# Altium PCB STM32F767IGT6.PcbDoc (part 1 of 2)
Units mil, origin at the board's own origin, x right, y up, seen from the top; angles counter-clockwise.
Board outline 3765 x 2155 mil, 2 copper layers (Top Layer, Bottom Layer); 135 components, 194 nets, 728 pads, 342 vias.
Unrouted connection lines stored in the file: 9.
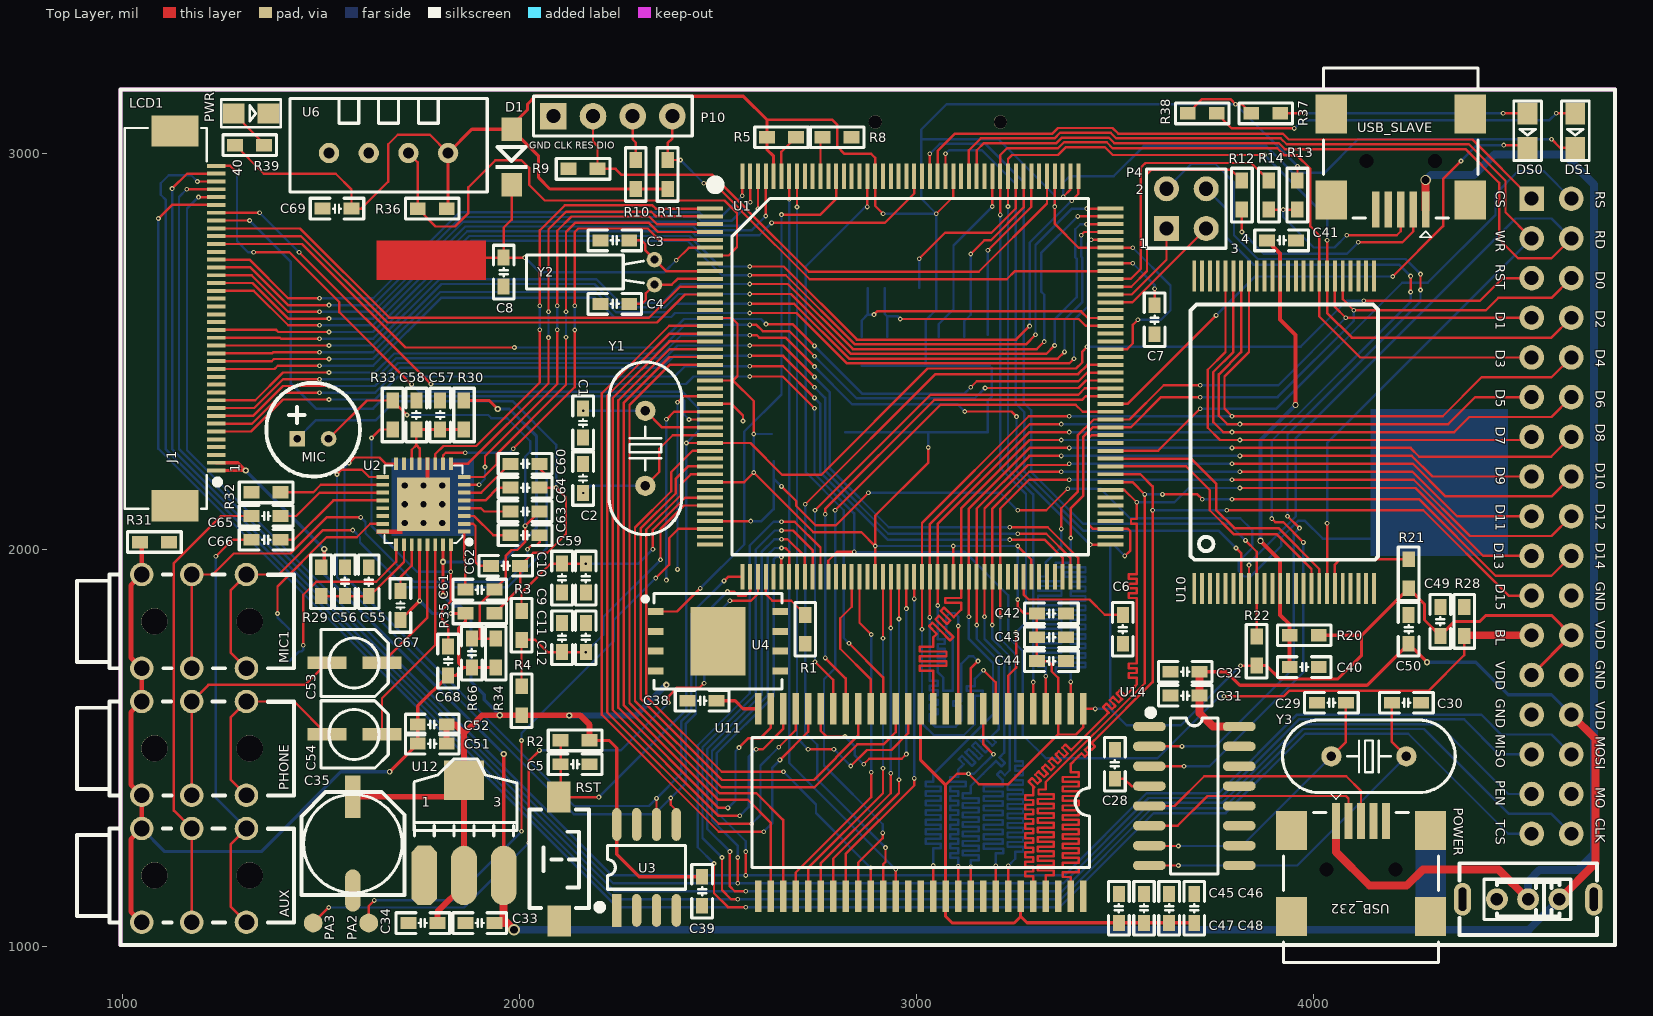
[diagram p0: Top Layer view]
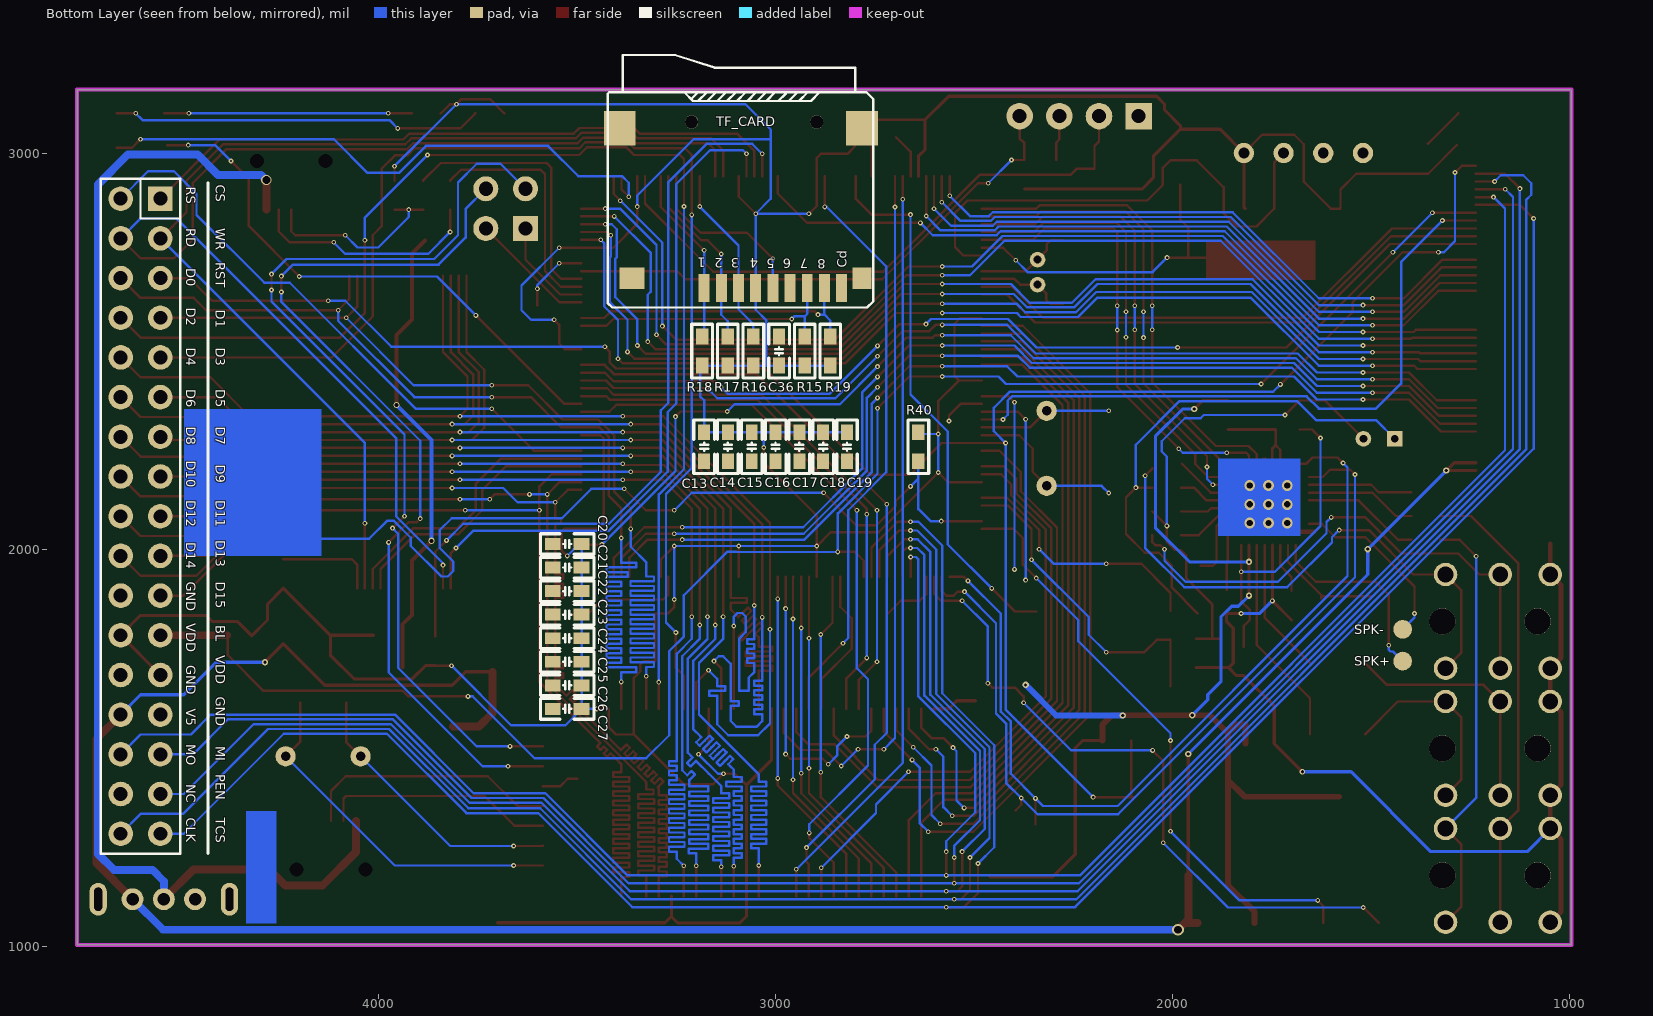
[diagram p1: Bottom Layer view, seen from below]

## Layer stack, top to bottom
Top Layer: signal copper 1.4
Dielectric: dielectric 12.6, FR-4, Dk 4.8
Bottom Layer: signal copper 1.4

## Board outline
995,1005 995,3160 4760,3160 4760,1005

## Design rules (kind name [scope] priority, off if disabled: settings)
Clearance [All] p1: gap=6
ComponentClearance [All] p1 off: gap=10 collisioncheckmode=3 verticalgap=10 showdistances=FALSE
FabricationTestpoint [(IsPad And (OnTopLayer Or OnBottomLayer))] p1: side=3 testpointundercomponent=TRUE minsize=40 maxsize=100 preferedsize=60 minholesize=0 maxholesize=40 preferedholesize=32 testpointgrid=1 allowsidetop=TRUE allowsidebottom=TRUE usegrid=TRUE gridtolerance=0.01
HoleToHoleClearance [All] p1: gap=6 allowstackedmicrovias=TRUE
MinimumSolderMaskSliver [All] p1: minsoldermaskwidth=5
PolygonConnect [All] p1: connectstyle=Relief reliefconductorwidth=10 reliefentries=4 polygonreliefangle="90 Angle"
RoutingVias [All] p1: holewidth=6 width=10 viastyle="Through Hole" minholewidth=4 minwidth=12 maxholewidth=280 maxwidth=320
SilkToSilkClearance [All] p1: silktosilkclearance=2
SilkscreenOverComponentPads [All] p1 off: minsilkscreentomaskgap=2
SolderMaskExpansion [All] p1: expansion=2
Width [All] p1: maxlimit=50 minlimit=5 preferedwidth=6 minimp=50.000000 maximp=50.000000 favimp=50.000000
22 further rules are at their usual default settings.

## Components (designator, comment, footprint, x,y, rotation, side; value= is the part's Value field where it differs from the comment)
AUX "AUX" PHONE_ST 1180,1180 r180 top locked
C1 "22pF" "C 0603_M" 2160,2320 r270 top
C2 "22pF" "C 0603_M" 2160,2180 r90 top
C3 "6pF" "C 0603_M" 2240,2780 r0 top
C4 "6pF" "C 0603_M" 2240,2620 r0 top
C5 "104" "C 0603_M" 2140,1460 r180 top
C6 "225" "C 0603_M" 3520,1800 r90 top
C7 "225" "C 0603_M" 3600,2580 r90 top
C8 "104" "C 0603_M" 1960,2700 r90 top
C9 "104" "C 0603_M" 2167,1929 r90 top
C10 "10uF" "C 0603_M" 2107,1929 r90 top
C11 "104" "C 0603_M" 2107,1779 r270 top
C12 "10uF" "C 0603_M" 2167,1779 r270 top
C13 "104" "C 0603_M" 3180,2260 r90 bottom
C14 "104" "C 0603_M" 3120,2260 r90 bottom
C15 "104" "C 0603_M" 3060,2260 r90 bottom
C16 "104" "C 0603_M" 3000,2260 r90 bottom
C17 "104" "C 0603_M" 2940,2260 r90 bottom
C18 "104" "C 0603_M" 2880,2260 r90 bottom
C19 "104" "C 0603_M" 2820,2260 r90 bottom
C20 "104" "C 0603_M" 3525,2015 r180 bottom
C21 "104" "C 0603_M" 3525,1955.64 r180 bottom
C22 "104" "C 0603_M" 3525,1896.29 r180 bottom
C23 "104" "C 0603_M" 3525,1836.93 r180 bottom
C24 "104" "C 0603_M" 3525,1777.57 r180 bottom
C25 "104" "C 0603_M" 3525,1718.21 r180 bottom
C26 "104" "C 0603_M" 3525,1658.86 r180 bottom
C27 "104" "C 0603_M" 3525,1599.5 r180 bottom
C28 "104" "C 0603_M" 3500,1460 r270 top
C29 "22" "C 0603_M" 4045.51,1615 r0 top
C30 "22" "C 0603_M" 4234.49,1615 r0 top
C31 "10uF" "C 0603_M" 3677,1633 r180 top
C32 "104" "C 0603_M" 3677,1693 r180 top
C33 "104" "C 0603_M" 1900,1060 r0 top
C34 "104" "C 0603_M" 1756.5,1060 r0 top
C35 "220uF" "CT 6*6 - C" 1580,1260 r90 top locked
C36 "104" "C 0603_M" 2991.2,2501 r90 bottom
C38 "104" "C 0603_M" 2460,1620 r180 top
C39 "104" "C 0603_M" 2460,1140 r270 top
C40 "104" "C 0603_M" 3977,1705 r180 top
C41 "104" "C 0603_M" 3920,2780 r180 top
C42 "104" "C 0603_M" 3340,1840 r180 top
C43 "104" "C 0603_M" 3340,1780 r180 top
C44 "104" "C 0603_M" 3340,1720 r180 top
C45 "104" "C 0603_M" 3510,1097 r270 top
C46 "104" "C 0603_M" 3573.33,1097 r270 top
C47 "104" "C 0603_M" 3636.67,1097 r270 top
C48 "104" "C 0603_M" 3700,1097 r270 top
C49 "104" "C 0603_M" 4320,1820 r90 top
C50 "104" "C 0603_M" 4240,1800 r270 top
C51 "104" "C 0603_M" 1780,1512 r180 top
C52 "10uF" "C 0603_M" 1780,1560 r180 top
C53 "220uF" cc4*5.4 1500,1800 r180 top
C54 "220uF" cc4*5.4 1500,1620 r180 top
C55 "104" "C 0603_M" 1620,1920 r270 top
C56 "10uF" "C 0603_M" 1560,1920 r270 top
C57 "104" "C 0603_M" 1800,2340 r270 top
C58 "10uF" "C 0603_M" 1740,2340 r270 top
C59 "1uF" "C 0603_M" 2014,2037 r0 top
C60 "1uF" "C 0603_M" 2014,2217 r0 top
C61 "1uF" "C 0603_M" 1900,1900 r0 top
C62 "1uF" "C 0603_M" 1965,1960 r0 top
C63 "1uF" "C 0603_M" 2014,2097 r0 top
C64 "1uF" "C 0603_M" 2014,2157 r0 top
C65 "104" "C 0603_M" 1361.43,2085.57 r180 top
C66 "104" "C 0603_M" 1361.43,2025.57 r180 top
C67 "10uF" "C 0603_M" 1700,1860 r90 top
C68 "10uF" "C 0603_M" 1820,1720 r90 top
C69 "104" "C 0603_M" 1540,2860 r0 top
D1 "1N4148" DIODE_SOP 1980,3060 r270 top
DS0 "LED1" SMDLED 4540,3100 r270 top
DS1 "LED1" SMDLED 4660,3100 r270 top
J1 "RGBLCD" FPC-TOP40 1240,2200 r90 top locked
LCD1 "TFT_LCD1" DB2*17-3.5 4760,3160 r270 top locked
MIC "MIC" MIC-6022 1440,2280 r0 top
MIC1 "MIC1" PHONE_ST 1180,1820 r180 top locked
P4 "USART1" HDR2.54-LI-2x2P 3680,2860 r0 top
P10 "Header 4" HDR2.54-LI-4P 2235,3093 r0 top
PA2 "TEST POINT" TP-1.5 1620,1060 r90 top
PA3 "TEST POINT" TP-1.5 1480,1060 r90 top
PHONE "PHONE" PHONE_ST 1180,1500 r180 top locked
POWER "BUTTON_DIP3" BTN8.8*4.6 4620,1120 r180 top
PWR "SYS" SMDLED 1280,3100 r0 top
R1 "10K" "R 0603_M" 2720,1800 r270 top
R2 "10K" "R 0603_M" 2140,1520 r180 top
R3 "10R" "R 0603_M" 2005,1810 r90 top
R4 "10R" "R 0603_M" 2005,1620 r270 top
R5 "0R" "R 0603_M" 2660,3040 r180 top
R8 "10K" "R 0603_M" 2800,3040 r0 top
R9 "10K" "R 0603_M" 2160,2960 r180 top
R10 "10K" "R 0603_M" 2293,2946 r270 top
R11 "10K" "R 0603_M" 2373,2946 r270 top
R12 "10R" "R 0603_M" 3820,2894 r90 top
R13 "1.5K" "R 0603_M" 3960,2894 r90 top
R14 "10R" "R 0603_M" 3888,2894 r90 top
R15 "47K" "R 0603_M" 2926.6,2501 r270 bottom
R16 "47K" "R 0603_M" 3055.8,2501 r270 bottom
R17 "47K" "R 0603_M" 3120.4,2501 r270 bottom
R18 "47K" "R 0603_M" 3185,2501 r270 bottom
R19 "47K" "R 0603_M" 2862,2501 r270 bottom
R20 "0R" "R 0603_M" 3977,1785 r0 top
R21 "10K" "R 0603_M" 4240,1940 r270 top
R22 "10K" "R 0603_M" 3857,1745 r90 top
R28 "4.7K" "R 0603_M" 4380,1820 r270 top
R29 "0R" "R 0603_M" 1500,1920 r90 top
R30 "10R" "R 0603_M" 1860,2340 r270 top
R31 "0R" "R 0603_M" 1080,2020 r180 top
R32 "10K" "R 0603_M" 1361.43,2145 r0 top
R33 "680R" "R 0603_M" 1680,2340 r90 top
R34 "47K" "R 0603_M" 1940,1740 r90 top
R35 "0R" "R 0603_M" 1900,1840 r0 top
R36 "4.7K" "R 0603_M" 1780,2860 r180 top
R37 "510R" "R 0603_M" 3880,3100 r180 top
R38 "510R" "R 0603_M" 3720,3100 r180 top
R39 "510R" "R 0603_M" 1320,3020 r180 top
R40 "100K" "R 0603_M" 2640,2260 r90 bottom
R66 "221" "C 0603_M" 1880,1740 r90 top
RST "KEY_M" "TSW SMD-3*6*2.5" 2100,1220 r270 top
SPK+ "SPK" TP-1.5 1420,1720 r90 bottom
SPK- "SPK" TP-1.5 1420,1800 r90 bottom
TF_CARD "SD-MICRO-TF" SD-MICRO-TF 3180,2660 r0 bottom locked
U1 "STM32F767IGT6" LQFP176 2480,2860 r0 top locked
U2 "WM8978" qfn32 1758,2115 r180 top
U3 "24C02" SOP8_M 2320,1200 r90 top
U4 "W25Q256" WSON8 2500,1770 r0 top
U6 "DHT11&DS18B20" DHT11 1820,3000 r180 top
U10 "MT29F4G08" TSOP48 3700,1903.07 r90 top locked
U11 "W9825G6KH-6" TSOP54 3420,1600 r270 top locked
U12 "AMS1117-3.3" AMS1117 1760,1180 r0 top locked
U14 "CH340G" SOP16_M 3700,1380 r0 top
USB_232 "USB" USB-MINI-A 4120,1195 r0 top locked
USB_SLAVE "USB" USB-MINI-A 4220,2980 r180 top locked
Y1 "25MHz" "OSC HC-49S" 2317,2256 r90 top
Y2 "32.768K" OSC-2x6-WI-A 2340,2700 r270 top
Y3 "12MHz" "OSC HC-49S" 4140,1480 r0 top

## Footprints (in the part's own frame and the unit in brackets; to place one, negate y for a bottom-side part, rotate by r counter-clockwise, add the part's x,y. Pads: shape width x height; smd on the part's side, far side on the other; paste and mask are expansions set on the pad)
AMS1117 [mil]
  oct 65x150 smd: 1(0.03,-0.06)
  oval 65x150 smd: 2(100.03,-0.06) 3(200.03,-0.06)
  rect 100x100 smd: 4(100.03,239.94)
  silkscreen extent -26,100 234,293
BTN8.8*4.6 [mm]
  round 1.4 hole 0.8: 1(0,0) 2(2,0) 3(4,0)
  oval 1.1x2.1 hole 0.5 slot 1.5 at 90 deg: 4(-2.2,0) 5(6.2,0)
  silkscreen extent -2.4,-2.3 6.4,2.3, body extent -2.4,-2.3 6.4,2.27, height 6.5
"C 0603_M" [mil] "无极性贴片电容"
  rect 40x30 smd: 1(-36.5,0) 2(36.5,0)
  silkscreen extent -68,-26 68,26, body extent -31,-16 31,16, height 32
cc4*5.4 [mm]
  rect 2.5x0.8 smd: 1(-3.9,2.15) 2(-0.381,2.15)
  silkscreen extent -4.3,0 0,4.3
"CT 6*6 - C" [mm] "直径6mm，高6mm"
  rect 2.7x1 smd: 1(3,0)
  oval 2.7x1 smd: 2(-3,0)
  silkscreen extent -3.3,-3.3 3.3,3.3, body extent -3.5,-3.15 3.5,3.15, height 6
DB2*17-3.5 [mil]
  rect 62x62 hole 35: 1(275,-210)
  round 62 hole 35: 2(275,-110) 3(375,-210) 4(375,-110) 5(475,-210) 6(475,-110) 7(575,-210) 8(575,-110) 9(675,-210) 10(675,-110) 11(775,-210) 12(775,-110) 13(875,-210) 14(875,-110) 15(975,-210) 16(975,-110) 17(1075,-210) 18(1075,-110) 19(1175,-210) 20(1175,-110) 21(1275,-210) 22(1275,-110) 23(1375,-210) 24(1375,-110) 25(1475,-210) 26(1475,-110) 27(1575,-210) 28(1575,-110) 29(1675,-210) 30(1675,-110) 31(1775,-210) 32(1775,-110) 33(1875,-210) 34(1875,-110)
  silkscreen extent 0,-3765 2155,0
DHT11 [mm]
  round 1.3 hole 0.7: 1(0,0) 2(2.54,0) 3(5.08,0) 4(7.62,0)
  silkscreen extent -2.5,-3.5 10.12,2.5
DIODE_SOP [mm]
  rect 1.5x1.3 smd: 1(0,0) 2(3.556,0)
  silkscreen extent 1.14,-1.02 2.56,1.02
FPC-TOP40 [mm]
  rect 0.25x1.2 smd: 1(0,0.102) 2(0.5,0.102) 3(1,0.102) 4(1.5,0.102) 5(2,0.102) 6(2.5,0.102) 7(3,0.102) 8(3.5,0.102) 9(4,0.102) 10(4.5,0.102) 11(5,0.102) 12(5.5,0.102) 13(6,0.102) 14(6.5,0.102) 15(7,0.102) 16(7.5,0.102) 17(8,0.102) 18(8.5,0.102) 19(9,0.102) 20(9.5,0.102) 21(10,0.102) 22(10.5,0.102) 23(11,0.102) 24(11.5,0.102) 25(12,0.102) 26(12.5,0.102) 27(13,0.102) 28(13.5,0.102) 29(14,0.102) 30(14.5,0.102) 31(15,0.102) 32(15.5,0.102) 33(16,0.102) 34(16.5,0.102) 35(17,0.102) 36(17.5,0.102) 37(18,0.102) 38(18.5,0.102) 39(19,0.102) 40(19.5,0.102)
  rect 2x3 smd: A(-2.25,2.754) B(21.725,2.754)
  silkscreen extent -2.45,-0.15 21.92,5.97
HDR2.54-LI-2x2P [mm] "双排排针，2x2脚"
  rect 1.6x1.6 hole 0.9: 1(-1.27,-1.27)
  round 1.6 hole 0.9: 2(-1.27,1.27) 3(1.27,-1.27) 4(1.27,1.27)
  silkscreen extent -2.54,-2.54 2.54,2.54, body extent -2.54,-2.54 2.54,2.54, height 8.5
HDR2.54-LI-4P [mm] "排针，4脚"
  rect 1.7x1.7 hole 0.9: 1(-3.81,0)
  round 1.7 hole 0.9: 2(-1.27,0) 3(1.27,0) 4(3.81,0)
  silkscreen extent -5.08,-1.27 5.08,1.27, body extent -5.08,-1.27 5.08,1.27, height 8.5
LQFP176 [mm]
  rect 1.65x0.254 smd: 1(0,0) 2(0,-0.5) 3(0,-1) 4(0,-1.5) 5(0,-2) 6(0,-2.5) 7(0,-3) 8(0,-3.5) 9(0,-4) 10(0,-4.5) 11(0,-5) 12(0,-5.5) 13(0,-6) 14(0,-6.5) 15(0,-7) 16(0,-7.5) 17(0,-8) 18(0,-8.5) 19(0,-9) 20(0,-9.5) 21(0,-10) 22(0,-10.5) 23(0,-11) 24(0,-11.5) 25(0,-12) 26(0,-12.5) 27(0,-13) 28(0,-13.5) 29(0,-14) 30(0,-14.5) 31(0,-15) 32(0,-15.5) 33(0,-16) 34(0,-16.5) 35(0,-17) 36(0,-17.5) 37(0,-18) 38(0,-18.5) 39(0,-19) 40(0,-19.5) 41(0,-20) 42(0,-20.5) 43(0,-21) 44(0,-21.5) 89(25.631,-21.5) 90(25.631,-21) 91(25.631,-20.5) 92(25.631,-20) 93(25.631,-19.5) 94(25.631,-19) 95(25.631,-18.5) 96(25.631,-18) 97(25.631,-17.5) 98(25.631,-17) 99(25.631,-16.5) 100(25.631,-16) 101(25.631,-15.5) 102(25.631,-15) 103(25.631,-14.5) 104(25.631,-14) 105(25.631,-13.5) 106(25.631,-13) 107(25.631,-12.5) 108(25.631,-12) 109(25.631,-11.5) 110(25.631,-11) 111(25.631,-10.5) 112(25.631,-10) 113(25.631,-9.5) 114(25.631,-9) 115(25.631,-8.5) 116(25.631,-8) 117(25.631,-7.5) 118(25.631,-7) 119(25.631,-6.5) 120(25.631,-6) 121(25.631,-5.5) 122(25.631,-5) 123(25.631,-4.5) 124(25.631,-4) 125(25.631,-3.5) 126(25.631,-3) 127(25.631,-2.5) 128(25.631,-2) 129(25.631,-1.5) 130(25.631,-1) 131(25.631,-0.5) 132(25.631,0)
  rect 0.254x1.65 smd: 45(2.065,-23.566) 46(2.566,-23.566) 47(3.066,-23.566) 48(3.565,-23.566) 49(4.066,-23.566) 50(4.565,-23.566) 51(5.066,-23.566) 52(5.565,-23.566) 53(6.066,-23.566) 54(6.565,-23.566) 55(7.066,-23.566) 56(7.565,-23.566) 57(8.066,-23.566) 58(8.565,-23.566) 59(9.066,-23.566) 60(9.565,-23.566) 61(10.066,-23.566) 62(10.565,-23.566) 63(11.066,-23.566) 64(11.565,-23.566) 65(12.066,-23.566) 66(12.565,-23.566) 67(13.066,-23.566) 68(13.565,-23.566) 69(14.066,-23.566) 70(14.565,-23.566) 71(15.066,-23.566) 72(15.566,-23.566) 73(16.066,-23.566) 74(16.566,-23.566) 75(17.065,-23.566) 76(17.566,-23.566) 77(18.065,-23.566) 78(18.566,-23.566) 79(19.065,-23.566) 80(19.566,-23.566) 81(20.065,-23.566) 82(20.566,-23.566) 83(21.065,-23.566) 84(21.566,-23.566) 85(22.065,-23.566) 86(22.566,-23.566) 87(23.065,-23.566) 88(23.566,-23.566) 133(23.566,2.065) 134(23.065,2.065) 135(22.566,2.065) 136(22.065,2.065) 137(21.566,2.065) 138(21.065,2.065) 139(20.566,2.065) 140(20.065,2.065) 141(19.566,2.065) 142(19.065,2.065) 143(18.566,2.065) 144(18.065,2.065) 145(17.566,2.065) 146(17.065,2.065) 147(16.566,2.065) 148(16.066,2.065) 149(15.566,2.065) 150(15.066,2.065) 151(14.565,2.065) 152(14.066,2.065) 153(13.565,2.065) 154(13.066,2.065) 155(12.565,2.065) 156(12.066,2.065) 157(11.565,2.065) 158(11.066,2.065) 159(10.565,2.065) 160(10.066,2.065) 161(9.565,2.065) 162(9.066,2.065) 163(8.565,2.065) 164(8.066,2.065) 165(7.565,2.065) 166(7.066,2.065) 167(6.565,2.065) 168(6.066,2.065) 169(5.565,2.065) 170(5.066,2.065) 171(4.565,2.065) 172(4.066,2.065) 173(3.565,2.065) 174(3.066,2.065) 175(2.566,2.065) 176(2.065,2.065)
  silkscreen extent 0.04,-22.15 24.22,1.82
MIC-6022 [mm]
  rect 1x1 hole 0.5: 1(0,0)
  round 1 hole 0.5: 2(2,0)
  silkscreen extent -1.98,-2.41 4.01,3.58
"OSC HC-49S" [mm]
  round 1.3 hole 0.6: 1(-2.4,0) 2(2.4,0)
  silkscreen extent -5.52,-2.32 5.52,2.33, body extent -5.53,-2.32 5.53,2.32, height 4.13
OSC-2x6-WI-A [mm] "脚距：1.6mm"
  round 1 hole 0.5: 1(0.8,0) 2(-0.8,0)
  silkscreen extent -1.1,-8.2 1.07,-0.7, body extent -1,-8 1,0.16, height 2.05
PHONE_ST [mm]
  round 1.676 hole 1.676: 0(-3.556,0) 0(2.54,0)
  round 1.5 hole 1: 1(-3.35,3) 1(-3.35,-3) 2(0.15,3) 2(0.15,-3) 3(3.35,3) 3(3.35,-3)
  silkscreen extent -6.39,-3.01 7.49,3
qfn32 [mm]
  rect 0.8x0.25 smd: 1(-2.601,1.75) 2(-2.601,1.25) 3(-2.601,0.75) 4(-2.601,0.25) 5(-2.601,-0.25) 6(-2.601,-0.75) 7(-2.601,-1.25) 8(-2.601,-1.75) 17(2.601,-1.75) 18(2.601,-1.25) 19(2.601,-0.75) 20(2.601,-0.25) 21(2.601,0.25) 22(2.601,0.75) 23(2.601,1.25) 24(2.601,1.75)
  rect 0.25x0.8 smd: 9(-1.75,-2.601) 10(-1.25,-2.601) 11(-0.75,-2.601) 12(-0.25,-2.601) 13(0.25,-2.601) 14(0.75,-2.601) 15(1.25,-2.601) 16(1.75,-2.601) 25(1.75,2.601) 26(1.25,2.601) 27(0.75,2.601) 28(0.25,2.601) 29(-0.25,2.601) 30(-0.75,2.601) 31(-1.25,2.601) 32(-1.75,2.601)
  rect 3.4x3.4 smd: 33(0,0)
  silkscreen extent -3.06,-2.49 2.49,2.55
"R 0603_M" [mil] "1/10W贴片电阻"
  rect 40x31.5 smd: 1(-36.5,0) 2(36.5,0)
  silkscreen extent -68,-26 68,26, body extent -31,-16 31,16, height 16
SD-MICRO-TF [mm]
  rect 2.032x2.2 smd: 0(-10.1,-10.227) 0(5.4,-10.227)
  rect 1.2x1.4 smd: 0(-10.1,-0.627)
  round 0.85 hole 0.85 unplated: 0(-7.2,-10.627) 0(0.8,-10.627)
  rect 1.6x1.4 smd: 0(4.6,-0.627)
  rect 0.7x1.8 smd: 1(0,0) 2(-1.1,0) 3(-2.2,0) 4(-3.3,0) 5(-4.4,0) 6(-5.5,0) 7(-6.6,0) 8(-7.7,0) 9(-8.8,0)
  silkscreen extent -10.82,-14.91 6.17,1.25, body extent -10.37,-14.85 5.9,0.34, height 1.8
SMDLED [mm]
  rect 1.4x1.27 smd: 1(0.001,-0.002) 2(2.211,-0.002)
  silkscreen extent -0.8,-0.89 3.01,0.89
SOP8_M [mm] "5*6*1.8mm（长宽高）"
  rect 2.1x0.6 smd: 1(-2.75,1.905)
  oval 2.1x0.6 smd: 2(-2.75,0.635) 3(-2.75,-0.635) 4(-2.75,-1.905) 5(2.75,-1.905) 6(2.75,-0.635) 7(2.75,0.635) 8(2.75,1.905)
  silkscreen extent -2.69,-2.5 1.4,3.15, body extent -3,-2.5 3,2.5, height 1.9
SOP16_M [mm] "10.3*6.2*1.8mm（长宽高）"
  oval 2.1x0.6 smd: 1(-2.875,4.445) 2(-2.875,3.175) 3(-2.875,1.905) 4(-2.875,0.635) 5(-2.875,-0.635) 6(-2.875,-1.905) 7(-2.875,-3.175) 8(-2.875,-4.445) 9(2.875,-4.445) 10(2.875,-3.175) 11(2.875,-1.905) 12(2.875,-0.635) 13(2.875,0.635) 14(2.875,1.905) 15(2.875,3.175) 16(2.875,4.445)
  silkscreen extent -2.95,-5 1.52,5.49, body extent -3,-5 3,5, height 1.9
TP-1.5 [mm]
  round 1.2 smd: 1(0,0)
TSOP48 [mm]
  rect 2x0.25 smd: 1(0,0) 2(0,-0.5) 3(0,-1) 4(0,-1.5) 5(0,-2) 6(0,-2.5) 7(0,-3) 8(0,-3.5) 9(0,-4) 10(0,-4.5) 11(0,-5) 12(0,-5.5) 13(0,-6) 14(0,-6.5) 15(0,-7) 16(0,-7.5) 17(0,-8) 18(0,-8.5) 19(0,-9) 20(0,-9.5) 21(0,-10) 22(0,-10.5) 23(0,-11) 24(0,-11.5) 25(20,-11.5) 26(20,-11) 27(20,-10.5) 28(20,-10) 29(20,-9.5) 30(20,-9) 31(20,-8.5) 32(20,-8) 33(20,-7.5) 34(20,-7) 35(20,-6.5) 36(20,-6) 37(20,-5.5) 38(20,-5) 39(20,-4.5) 40(20,-4) 41(20,-3.5) 42(20,-3) 43(20,-2.5) 44(20,-2) 45(20,-1.5) 46(20,-1) 47(20,-0.5) 48(20,0)
  silkscreen extent 1.83,-11.75 18.17,0.25
TSOP54 [mm]
  rect 2x0.4 smd: 1(0,0) 2(0,-0.8) 3(0,-1.6) 4(0,-2.4) 5(0,-3.2) 6(0,-4) 7(0,-4.8) 8(0,-5.6) 9(0,-6.4) 10(0,-7.2) 11(0,-8) 12(0,-8.8) 13(0,-9.6) 14(0,-10.4) 15(0,-11.2) 16(0,-12) 17(0,-12.8) 18(0,-13.6) 19(0,-14.4) 20(0,-15.2) 21(0,-16) 22(0,-16.8) 23(0,-17.6) 24(0,-18.4) 25(0,-19.2) 26(0,-20) 27(0,-20.8) 28(12,-20.8) 29(12,-20) 30(12,-19.2) 31(12,-18.4) 32(12,-17.6) 33(12,-16.8) 34(12,-16) 35(12,-15.2) 36(12,-14.4) 37(12,-13.6) 38(12,-12.8) 39(12,-12) 40(12,-11.2) 41(12,-10.4) 42(12,-9.6) 43(12,-8.8) 44(12,-8) 45(12,-7.2) 46(12,-6.4) 47(12,-5.6) 48(12,-4.8) 49(12,-4) 50(12,-3.2) 51(12,-2.4) 52(12,-1.6) 53(12,-0.8) 54(12,0)
  silkscreen extent 1.83,-21.2 10.16,0.4
"TSW SMD-3*6*2.5" [mm] "3*6*2.5mm"
  rect 2x1.5 smd: 1(-3.996,-0.02) 2(3.937,0)
  silkscreen extent -3.21,-1.9 3.09,1.9, body extent -4,-1.88 4,1.62, height 2.59
USB-MINI-A [mm] "MINI型USB，7.9*7.5*4.1mm"
  rect 0.5x2.3 smd: 1(-1.6,3.108) 2(-0.8,3.108) 3(0,3.108) 4(0.8,3.108) 5(1.6,3.108)
  rect 2x2.5 smd: 5(-4.45,-3) 5(-4.45,2.5) 5(4.45,-3) 5(4.45,2.5)
  round 0.6 hole 0.9 unplated: MH1(2.2,0) MH2(-2.2,0)
  silkscreen extent -4.95,-5.95 4.95,4.89, body extent -4.75,-6 4.75,3.7, height 3.95
WSON8 [mm]
  rect 1x0.45 smd: 1(-3.975,1.905) 2(-3.975,0.635) 3(-3.975,-0.635) 4(-3.975,-1.905) 5(3.975,-1.905) 6(3.975,-0.635) 7(3.975,0.635) 8(3.975,1.905)
  rect 3.5x4.4 smd: 9(0,0)
  silkscreen extent -4.8,-3.05 4.1,3.05

## Part data